# Altium PCB PrototypeSingle.PcbDoc (part 2 of 3)
Units mm, origin at the board's own origin, x right, y up, seen from the top; angles counter-clockwise.
Board outline 125.05 x 120.1 mm, 2 copper layers (L1_Top, L14_Bot), stack 1.671 mm thick; 220 components, 150 nets, 632 pads, 932 vias.
Unrouted connection lines stored in the file: 121.
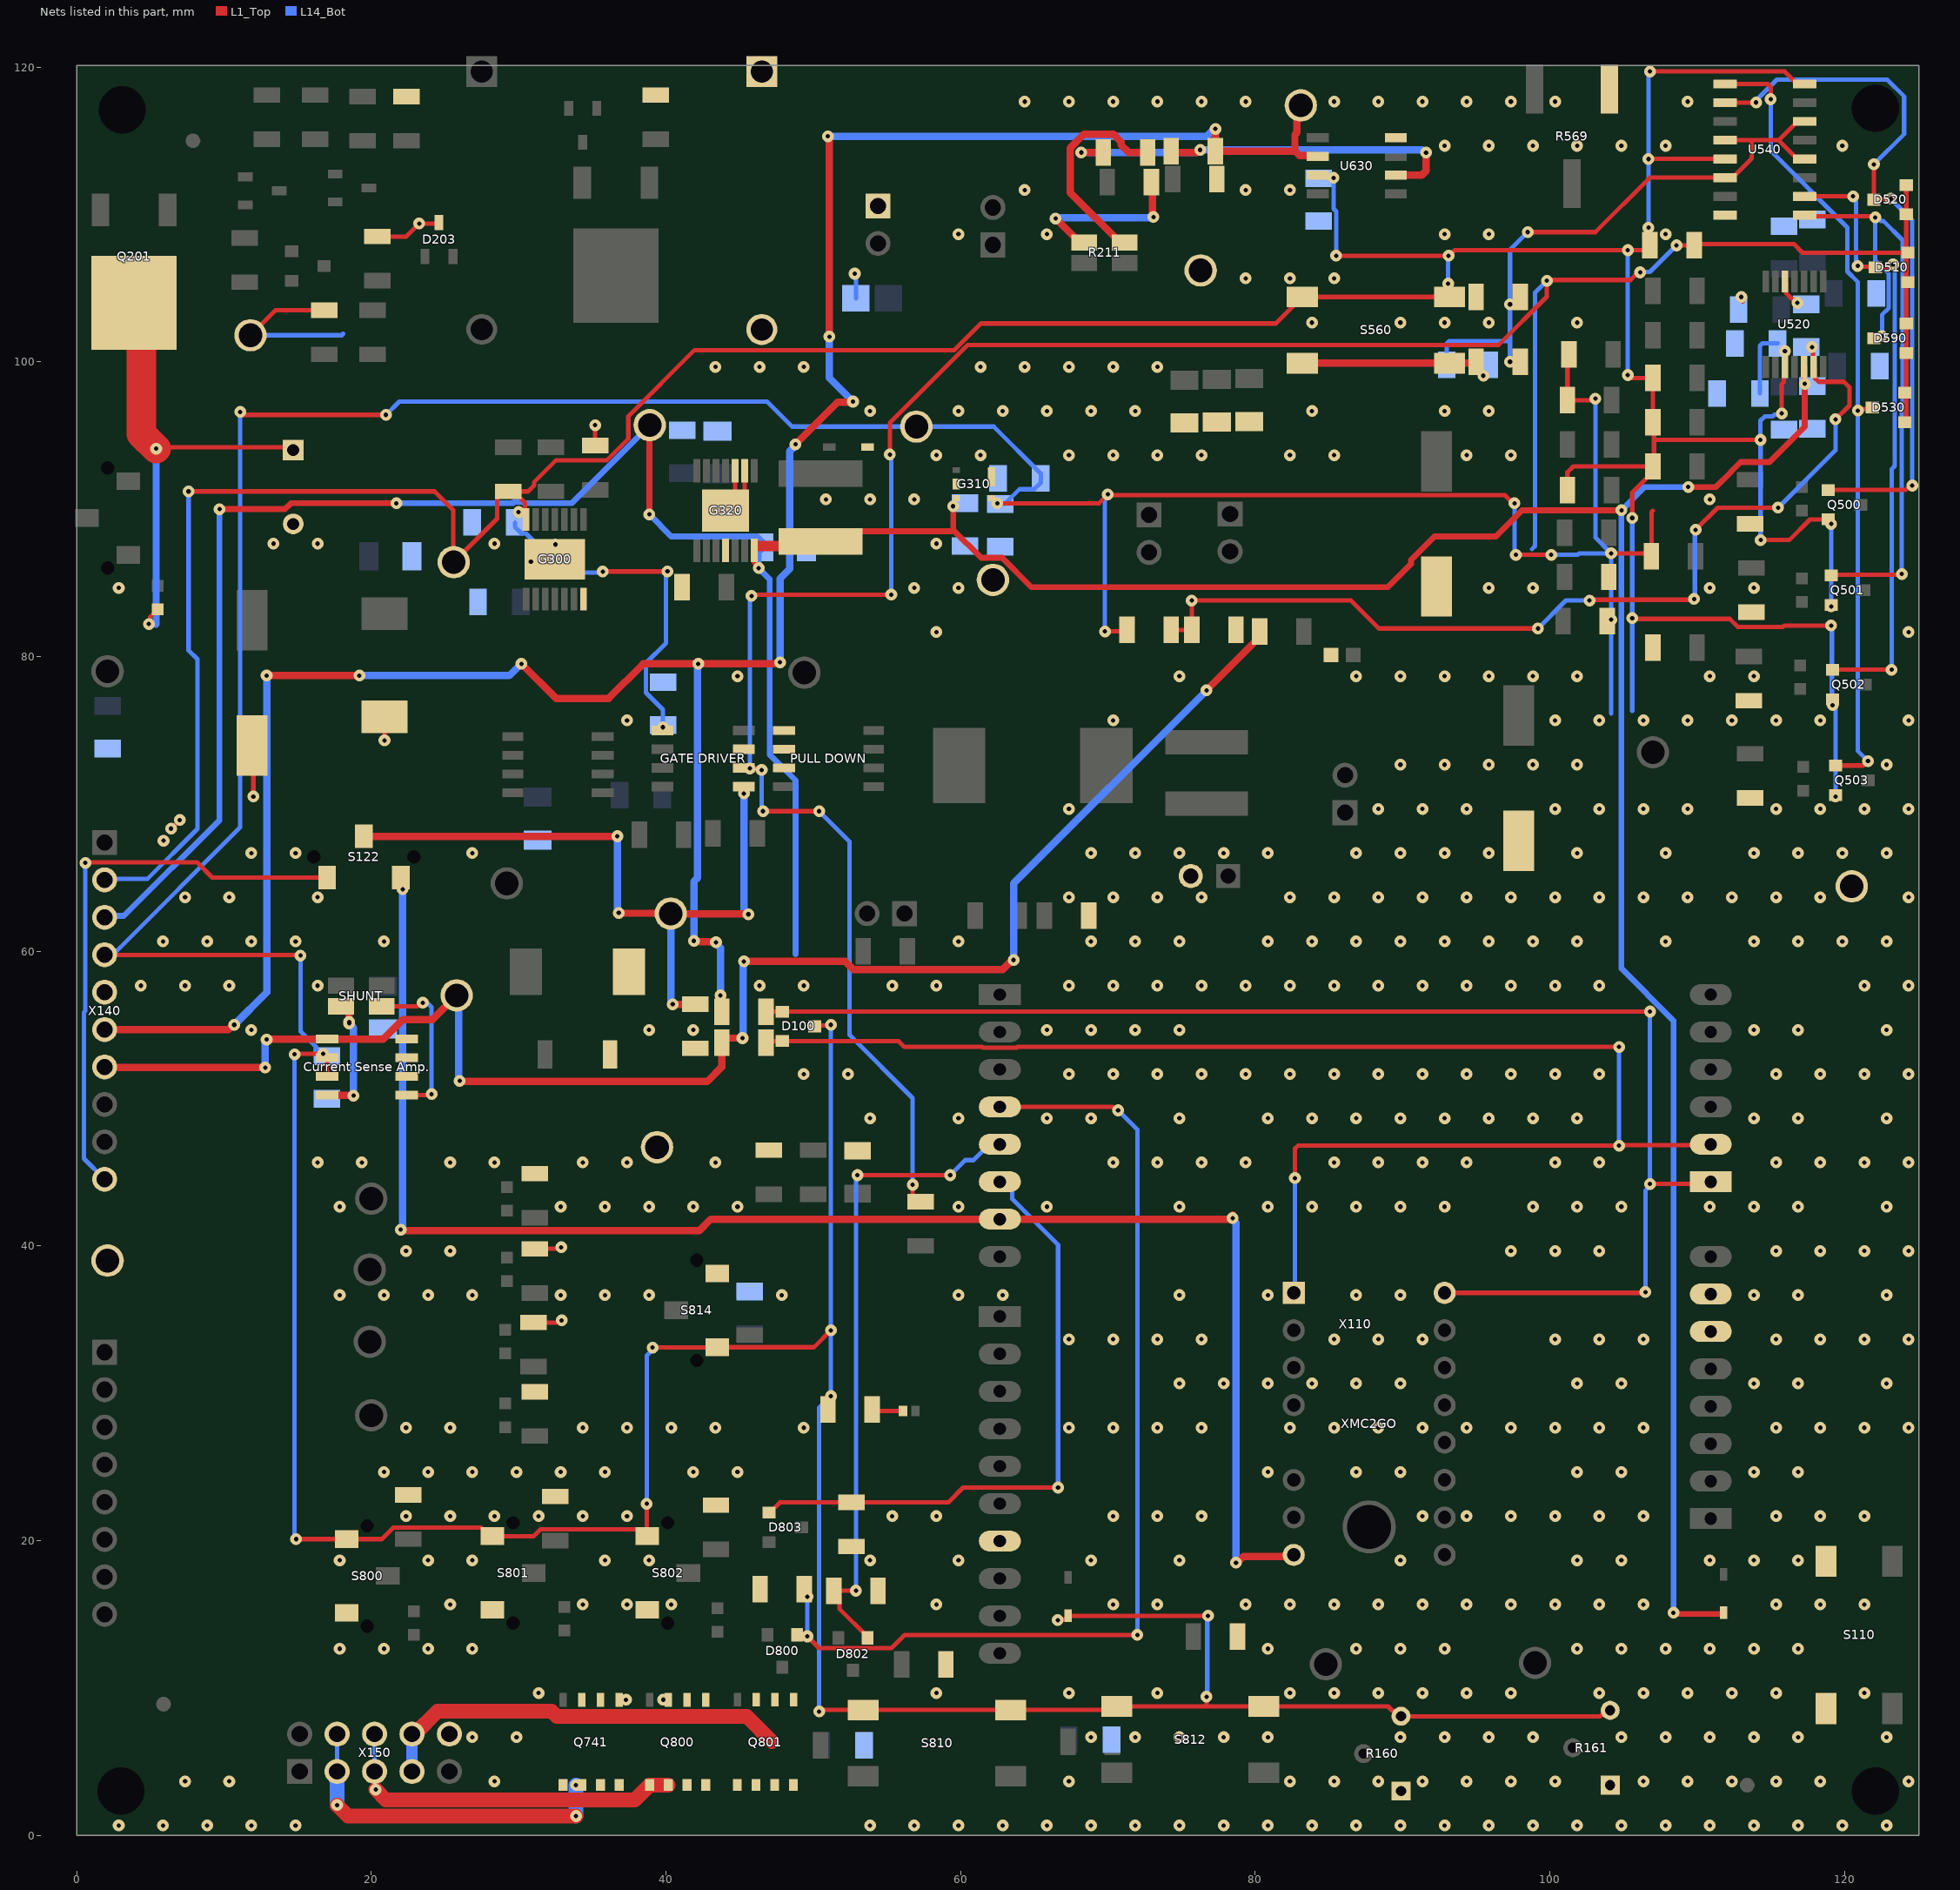
[diagram p2: the nets of this part, all layers, seen from the top]

## Part data (continued)
D211: library part 646382, "TVS Diode, Low Profile Package, Built in Strain Relief, Glass Passivated Chip Junction", Manufacturer=Littelfuse, Package Description="Diode,Molded Body;7.94mm L X 5.905mm W X 2.62mm H", Supplier Part Number 1=2777300, Temperature max=150, Temperature min=-65, Temperature Range=Military, Voltage DC (max)=na, Application=Standard, Article Number=646382, Automotive Qualified=No, Combined Parameters=Vf:5V;If:-;Ur:20V;Ir:2uA;Pmax:6.5W, ComponentLink1Description="Vendor WebSite", ComponentLink1URL=http://www.littelfuse.com/, ComponentLink2Description=Datasheet, ComponentLink2URL=http://webnetprod.muc.infineon.com/PCBPortal_Prod/WorkFlows/AltiumComponent/StandardDocumentation?Versionid=646383, ComponentStatus=Released, Manufacturer Order Number=SMDJ20A, PackageReference=DO-214AB, Part Type=Diode, PLMStatus=Active, QuickPick="TVS Diode / DO-214AB", RoHS Compliant=Y, Second Source allowed=Yes, Style=Single, Supplier 1=Farnell, Supplier 2=DigiKey, Supplier 3=Mouser, Supplier Part Number 2=SMDJ20ACT-ND, Supplier Part Number 3=576-SMDJ20A, Symbol Type="Transient Voltage Suppressor Diode (TVS, TAZ), 1 Cathode, 2 Anode", Type="TVS Diode", Version Number=V01
D730: library part 646377, "Surface Mount Transient Voltage Suppressors, Unidirectional, Very Fast Response Time", Manufacturer=Vishay, Package Description="Diode,Molded Body;7.94mm L X 5.905mm W X 2.62mm H", Temperature max=150, Temperature min=-55, Temperature Range=Military, Voltage DC (max)=na, Application=Switching, Article Number=646377, Automotive Qualified="AEC Q101", Combined Parameters=Vf:-;If:-;Ur:40V;Ir:-;Pmax:5kW, ComponentLink1Description="Vendor WebSite", ComponentLink1URL=http://www.vishay.com, ComponentLink2Description=Datasheet, ComponentLink2URL=http://webnetprod.muc.infineon.com/PCBPortal_Prod/WorkFlows/AltiumComponent/StandardDocumentation?Versionid=646378, ComponentStatus=Released, Manufacturer Order Number=SMC5K40A-M3/I, PackageReference="SMC (DO-214AB)", Part Type=Diode, PLMStatus=Active, QuickPick="TVS Diode / SMC (DO-214AB)", RoHS Compliant=Y, Second Source allowed=Yes, Style=Single, Supplier 1=Farnell, Supplier 2=DigiKey, Supplier 3=Mouser, Supplier Part Number 2=SMC5K40A-M3/IGICT-ND, Supplier Part Number 3=78-SMC5K40A-M3/I, Symbol Type="Transient Voltage Suppressor Diode (TVS, TAZ), 1 Cathode, 2 Anode", Type="TVS Diode", Version Number=V01
D731: library part 646087, "DIODE SCHOTTKY 60V 3A SOD128", Manufacturer=Nexperia, Package Description="SODFL Diode;3.80mm W X 2.50mm L X 1.10mm H body", Supplier Part Number 1=2311228, Temperature max=175, Temperature min=-55, Temperature Range=Military, Voltage DC (max)=na, Application=Standard, Article Number=646087, Automotive Qualified="AEC Q101", Combined Parameters=Vf:530mV;If:4.2A;Ur:60V;Ir:200uA;Pmax:750mW, ComponentLink1Description="Vendor WebSite", ComponentLink1URL=http://www.nexperia.com, ComponentLink2Description=Datasheet, ComponentLink2URL=http://webnetprod.muc.infineon.com/PCBPortal_Prod/WorkFlows/AltiumComponent/StandardDocumentation?Versionid=646088, ComponentStatus=Released, Manufacturer Order Number=PMEG6030ETPX, PackageReference=SOD128, Part Type=Diode, PLMStatus=Active, QuickPick="Schottky Diode / SOD128", RoHS Compliant=Y, Second Source allowed=Yes, Style=Single, Supplier 1=Farnell, Supplier 2=DigiKey, Supplier 3=Mouser, Supplier Part Number 2=1727-1348-1-ND, Supplier Part Number 3=771-PMEG6030ETPX, Symbol Type="Standard Schottky Diode Symbol, 1 Cathode, 2 Anode", Type="Schottky Diode", Version Number=V01
E100 E101 E102: library part 416637, "Fiducial Mark", Legacy PartNumber=MEC10000008, Manufacturer="Infineon Technologies", Temperature max=0, Temperature Range=Military, Voltage DC (max)=na, Alternate View=No, Article Number=416637, Combined Parameters="- - -x- -", ComponentLink1Description="Vendor WebSite", ComponentLink1URL=https://www.infineon.com/, ComponentLink2Description=Datasheet, ComponentLink2URL=http://webnetprod.muc.infineon.com/PCBPortal_Prod/WorkFlows/AltiumComponent/StandardDocumentation?Versionid=416638, ComponentStatus=Released, Legacy DeviceID=MEC_Fiducial_Mark, Multible Parts=No, Part Type=Mechanical, PLMStatus=Active, Second Source allowed=Yes, Supplier 1=Farnell, Supplier 2=DigiKey, Supplier 3=Mouser, Symbol Type="Fiducial Marker For PCB", Temperature min=0, Version Number=V01
G300: library part 431580, "Low Dropout Adjustable Standby Voltage Regulator", Legacy PartNumber=IFX01401452, Manufacturer="Infineon Technologies", Package Description="SOP,0.65mm pitch;14 pin,3.90mm W X 4.90mm L X 1.15mm H body (w/thermal tab)", Temperature max=150, Temperature min=-40, Temperature Range=Automotive, Voltage DC (max)=na, Alternate View=No, Article Number=431580, Automotive Qualified=Yes, Combined Parameters="Linear Not applicable -;Vo:1.2V to 20V", ComponentLink1Description="Vendor WebSite", ComponentLink1URL=https://www.infineon.com/, ComponentLink2Description=Datasheet, ComponentLink2URL=http://webnetprod.muc.infineon.com/PCBPortal_Prod/WorkFlows/AltiumComponent/StandardDocumentation?Versionid=431581, ComponentStatus=Released, Legacy DeviceID=IFX_TLT807B0EPV, Manufacturer Order Number=TLT807B0EPV, Multiple Parts=No, PackageReference=PG-TSDSO-14, Part Type="Power Supply", PLMStatus=Active, QuickPick="Linear / PG-TSDSO-14", RoHS Compliant=Y, Second Source allowed=Yes, Style="Not applicable", Supplier 1=Farnell, Supplier 2=DigiKey, Supplier 3=Mouser, Supplier Part Number 2=TLT807B0EPVXUMA1TR-ND, Supplier Part Number 3=726-TLT807B0EPVXUMA1, Symbol Type="Low Dropout Adjustable Standby Voltage Regulator", Type=Linear, Version Number=V01
G310: library part 617559, Manufacturer="Infineon Technologies", Package Description="PG-SCT595-5-2; 5 pin, 1.60 mm L X 2.90 mm W X 1.1 mm H body", Supplier Part Number 1=2762385, Temperature max=150, Temperature min=-40, Temperature Range=Automotive, Voltage DC (max)=na, Alternate View=No, Article Number=617559, Automotive Qualified=Yes, Combined Parameters="- - -;Vo:3.17V to 3.43V", ComponentLink1Description="Vendor WebSite", ComponentLink1URL=https://www.infineon.com/, ComponentLink2Description=Datasheet, ComponentLink2URL=http://webnetprod.muc.infineon.com/PCBPortal_Prod/WorkFlows/AltiumComponent/StandardDocumentation?Versionid=617560, ComponentStatus=Released, Legacy DeviceID="IFX_TLE4295G V33", Manufacturer Order Number="TLE4295G V33", Multiple Parts=No, PackageReference=PG-SCT595-5-2, Part Type="Power Supply", PLMStatus=Active, QuickPick=PG-SCT595-5-2, RoHS Compliant=Y, Second Source allowed=Yes, Supplier 1=Farnell, Supplier 2=DigiKey, Supplier 3=Mouser, Supplier Part Number 2=448-TLE4295GV33HTSA1CT-ND, Supplier Part Number 3=726-TLE4295GV33HTSA1, Symbol Type="5-V Voltage Regulator", Version Number=V01
G320: library part 508204, "2.2 MHz Step-Down Regulator 500 mA, 5 V, low quiescent current", Manufacturer="Infineon Technologies", Package Description="SOP,0.65mm pitch;14 pin,3.90mm W X 4.90mm L X 1.70mm H body (w/thermal tab)", Temperature max=150, Temperature min=-40, Temperature Range=Automotive, Voltage DC (max)=na, Article Number=508204, Automotive Qualified="AEC Q100", Combined Parameters="- - -;Vo:- to -", ComponentLink1Description="Vendor WebSite", ComponentLink1URL=https://www.infineon.com/, ComponentLink2Description=Datasheet, ComponentLink2URL=http://webnetprod.muc.infineon.com/PCBPortal_Prod/WorkFlows/AltiumComponent/StandardDocumentation?Versionid=508205, ComponentStatus=Released, Legacy DeviceID=IFX-TLF50211EL, Manufacturer Order Number=TLF50211EL, PackageReference=PG-SSOP-14-3, Part Type="Power Supply", PLMStatus=Active, QuickPick=PG-SSOP-14-3, RoHS Compliant=Y, Second Source allowed=Yes, Supplier 1=Farnell, Supplier 2=DigiKey, Supplier 3=Mouser, Supplier Part Number 2=TLF50211ELXUMA2-ND, Supplier Part Number 3=726-TLF50211ELXUMA2, Symbol Type="2.2 MHz Step-Down Regulator", Version Number=V01
"GATE DRIVER": library part 583359, "Driving IGBTs, enhancement mode N-Channel MOSFETs in various power electronic applications", Manufacturer="Infineon Technologies", Package Description="SOIC,1.27mm pitch;8 pin,3.90mm W X 4.90mm L X 1.72mm H body", Temperature max=125, Temperature min=-40, Temperature Range=Automotive, Voltage DC (max)=na, Alternate View=Yes, Application=Industrial, Article Number=583359, Automotive Qualified=No, ComponentLink1Description="Vendor WebSite", ComponentLink1URL=https://www.infineon.com/, ComponentLink2Description=Datasheet, ComponentLink2URL=http://webnetprod.muc.infineon.com/PCBPortal_Prod/WorkFlows/AltiumComponent/StandardDocumentation?Versionid=583360, ComponentStatus=Released, Legacy DeviceID=IFX_2ED2184S06F, Manufacturer Order Number=2ED2184S06F, Multiple Parts=Yes, PackageReference=PG-DSO-8-53, Part Type="Motors and Drives", PLMStatus=Active, RoHS Compliant=Y, Second Source allowed=Yes, Supplier 1=Farnell, Supplier 2=DigiKey, Supplier 3=Mouser, Supplier Part Number 2=448-2ED2184S06FXUMA1TR-ND, Supplier Part Number 3=726-2ED2184S06FXUMA1, Symbol Type="650 V half-bridge gate driver with integrated bootstrap diode", Type=Driver, Version Number=V01
J211 J219 J421 J710 J715 X720: library part 386760, "Header, 2.54mm Pitch, 2 pin, Vertical, Single Row", Legacy PartNumber=CON01500943, Manufacturer="Wurth Elektronik", Package Description="Header, Vertical, 2.54mm Pitch; 2 Pins, Single row, 5.08mm L X 2.54mm W X 8.89mm H body", Supplier Part Number 1=2356153, Temperature max=105, Temperature min=-40, Temperature Range=Industrial, Voltage DC (max)=na, Alternat View=Yes, Article Number=386760, Automotive Qualified=No, Combined Parameters="Board-to-Board Header (male);2x1;Mounting:THT;Orient:0° (vertical);Shielded:No", ComponentLink1Description="Vendor WebSite", ComponentLink1URL=http://www.we-online.com, ComponentLink2Description=Datasheet, ComponentLink2URL=http://webnetprod.muc.infineon.com/PCBPortal_Prod/WorkFlows/AltiumComponent/StandardDocumentation?Versionid=386761, ComponentStatus=Released, Legacy DeviceID=WE_61300211121, Manufacturer Order Number=61300211121, Part Type=Connector, PLMStatus=Active, QuickPick="0° (vertical) / Board-to-Board", RoHS Compliant=Y, Second Source allowed=Yes, Style=Strip, Supplier 1=Farnell, Supplier 2=DigiKey, Supplier 3=Mouser, Supplier Part Number 2=732-5315-ND, Supplier Part Number 3=710-61300211121, Type=Board-to-Board, Version Number=V01
L320: library part 638654, "IND / STD / 22uH / 2.1A / 20% / -40°C to 125°C / 89mR / SMD / Inductor; 2 pin, 6.00 mm L X 6.00 mm W X 4.50 mm H Body / SMD / -", Manufacturer="Wurth Elektronik", Package Description="Inductor; 2 pin, 6.00 mm L X 6.00 mm W X 4.50 mm H Body", Supplier Part Number 1=2431542, Temperature max=125, Temperature min=-40, Temperature Range=Automotive, Tolerance Neg=20%, Voltage DC (max)=na, Alternate View=Yes, Application="Power Electronics", Article Number=638654, Automotive Qualified="AEC Q200", Combined Parameters=Tol.:-20%/+20%;Rdc:89mR;Idc:2.1A;Fres:15MHz, ComponentLink1Description="Vendor WebSite", ComponentLink1URL=http://www.we-online.com, ComponentLink2Description=Datasheet, ComponentLink2URL=http://webnetprod.muc.infineon.com/PCBPortal_Prod/WorkFlows/AltiumComponent/StandardDocumentation?Versionid=638655, ComponentStatus=Released, Manufacturer Order Number=74404064220, Multiple Parts=No, PackageReference=SMD, Part Type=Inductor, PLMStatus=Active, QuickPick="22uH / Standard / SMD", RoHS Compliant=Y, Second Source allowed=Yes, Style=Single, Supplier 1=Farnell, Supplier 2=DigiKey, Supplier 3=Mouser, Supplier Part Number 2=732-5554-1-ND, Supplier Part Number 3=710-74404064220, Symbol Type="Inductor; Single; Standard; Polarized; Core; 2 Pins", Technology="Wire Wound", Tolerance Pos=20%, Type=Standard, Version Number=V01
L420: library part 657324, "IND / STD / 27uH / 4.6A / 20% / -40°C to 125°C / 40mR / 1210 / Inductor,Molded Body;12.00mm L X 12.00mm W X 10.00mm H / SMD / -", Manufacturer="Wurth Elektronik", Package Description="Inductor,Molded Body;12.00mm L X 12.00mm W X 10.00mm H", Supplier Part Number 1=2211547, Temperature max=125, Temperature min=-40, Temperature Range=Automotive, Tolerance Neg=20%, Voltage DC (max)=na, Alternate View=Yes, Application="Power Electronics", Article Number=657324, Automotive Qualified="AEC Q200", Combined Parameters=Tol.:-20%/+20%;Rdc:40mR;Idc:4.6A;Fres:8MHz, ComponentLink1Description="Vendor WebSite", ComponentLink1URL=http://www.we-online.com, ComponentLink2Description=Datasheet, ComponentLink2URL=http://webnetprod.muc.infineon.com/PCBPortal_Prod/WorkFlows/AltiumComponent/StandardDocumentation?Versionid=657325, ComponentStatus=Released, Manufacturer Order Number=7447709270, Multiple Parts=No, PackageReference=1210, Part Type=Inductor, PLMStatus=Active, QuickPick="27uH / Standard / 1210", RoHS Compliant=Y, Second Source allowed=Yes, Style=Single, Supplier 1=Farnell, Supplier 2=DigiKey, Supplier 3=Mouser, Supplier Part Number 2=732-4121-1-ND, Supplier Part Number 3=710-7447709270, Symbol Type="Inductor; Single; Standard; 2 Pins", Technology="Wire Wound", Tolerance Pos=20%, Type=Standard, Version Number=V00
L421: library part 657326, "IND / STD / 15uH / 5.8A / 20% / -55°C to 155°C / 43mR / 6.6 x 6.4 mm / Inductor, SMD, 2 pin, 6.40 mm L X 6.60 mm W X 6.00 mm H body / - / -", Manufacturer=Bourns, Package Description="Inductor, SMD, 2 pin, 6.40 mm L X 6.60 mm W X 6.00 mm H body", Supplier Part Number 1=2901829, Temperature max=155, Temperature min=-55, Temperature Range=Military, Tolerance Neg=20%, Voltage DC (max)=na, Alternate View=Yes, Application="Power Electronics", Article Number=657326, Automotive Qualified="AEC Q200", Combined Parameters=Tol.:-20%/+20%;Rdc:43mR;Idc:5.8A;Fres:11MHz, ComponentLink1Description="Vendor WebSite", ComponentLink1URL=http://www.bourns.com, ComponentLink2Description=Datasheet, ComponentLink2URL=http://webnetprod.muc.infineon.com/PCBPortal_Prod/WorkFlows/AltiumComponent/StandardDocumentation?Versionid=657327, ComponentStatus=Released, Manufacturer Order Number=SRP6060FA-150M, Multiple Parts=No, PackageReference="6.6 x 6.4 mm", Part Type=Inductor, PLMStatus=Active, QuickPick="15uH / Standard / 6.6 x 6.4 mm", RoHS Compliant=Y, Second Source allowed=Yes, Style=Single, Supplier 1=Farnell, Supplier 2=DigiKey, Supplier 3=Mouser, Supplier Part Number 2=SRP6060FA-150MCT-ND, Supplier Part Number 3=652-SRP6060FA-150M, Symbol Type="Inductor; Single; Standard; Core; 2 Pins", Technology="Wire Wound", Tolerance Pos=20%, Type=Standard, Version Number=V00
MP100 MP101 MP102 MP103: library part 455343, "Cheese Head Screw With Hexagon Socket, DIN 912 (ISO 4762), M3, 16mm length", Legacy PartNumber=MEC10000167, Manufacturer="Wurth Elektronik", Package Description="M3 Cheese Head Screw X 5.68mm Head", Temperature max=0, Temperature Range=Military, Voltage DC (max)=na, Alternate View=No, Article Number=455343, Automotive Qualified=No, Combined Parameters="Steel Hexagonal 19x5.68 Screw", ComponentLink1Description="Vendor WebSite", ComponentLink1URL=http://www.we-online.com, ComponentLink2Description=Datasheet, ComponentLink2URL=http://webnetprod.muc.infineon.com/PCBPortal_Prod/WorkFlows/AltiumComponent/StandardDocumentation?Versionid=455344, ComponentStatus=Released, Legacy DeviceID="MEC_0082 3 16", Manufacturer Order Number="0082 3 16", Multiple Parts=No, PackageReference=THT, Part Type=Mechanical, PLMStatus=Active, QuickPick=Screw, RoHS Compliant=N, Second Source allowed=Yes, Style=Hexagonal, Supplier 1=Farnell, Supplier 2=DigiKey, Supplier 3=Mouser, Symbol Type="Cheese-Head Screw, M2.5X5-DIN 912", Temperature min=0, Type=Screw, Version Number=V01
NTC: library part 466242, "RES / NTC / 10k / 100mW / 1% / - / -40°C to 125°C / 0603(1608) / SMD / -", Legacy PartNumber=RES01806219, Manufacturer=MuRata, Package Description="Resistor,Chip;1.60mm L X 0.80mm W X 0.95mm H", Package Imperial=0603, Package Metric=1608, Supplier Part Number 1=2456122RL, Temperature max=125, Temperature min=-40, Temperature Range=Automotive, Tolerance Neg=1%, Alternate View=Yes, Article Number=466242, Automotive Qualified=No, Combined Parameters=TCR:-;Tol.:-1%/+1%;Vdc:-;Idc:-;P:100mW, ComponentLink1Description="Vendor WebSite", ComponentLink1URL=http://www.murata.com/, ComponentLink2Description=Datasheet, ComponentLink2URL=http://webnetprod.muc.infineon.com/PCBPortal_Prod/WorkFlows/AltiumComponent/StandardDocumentation?Versionid=466243, ComponentStatus=Released, Legacy DeviceID=RES01806219, Manufacturer Order Number=NCP18XH103F03RB, Multiple Parts=No, PackageReference=0603, Part Type=Resistor, PLMStatus=Active, QuickPick="10k / 1% / 0.1 / 0603", RoHS Compliant=Y, Second Source allowed=Yes, Style=Single, Supplier 1=Farnell, Supplier 2=DigiKey, Supplier 3=Mouser, Supplier Part Number 2=490-4800-2-ND, Supplier Part Number 3=81-NCP18XH103F03RB, Symbol Type="Resistor; Single; Negative Temperature Coefficient; 2 Pins", Tolerance Pos=1%, Type="Negative Temperature Coefficient (NTC)", Version Number=V01
"PULL DOWN" "PULL UP": library part 584303, "HEXFET Power MOSFET, VDS 60V, RDS(on) max 14.4 mO", Manufacturer="Infineon Technologies", Package Description="Pullback Quad Flat No-Lead (PQFN); 4 pin, 6.00 mm L X 5.00 mm W X 0.90 mm H body", Supplier Part Number 1=2580010, Temperature max=150, Temperature min=-55, Temperature Range=Military, Voltage DC (max)=na, Application="Power Supply", Article Number=584303, Automotive Qualified=No, Combined Parameters="N-Channel Enhancement;Uds:60V;Id:40A;Rds:14.4R;P:46W", ComponentLink1Description="Vendor WebSite", ComponentLink1URL=https://www.infineon.com/, ComponentLink2Description=Datasheet, ComponentLink2URL=http://webnetprod.muc.infineon.com/PCBPortal_Prod/WorkFlows/AltiumComponent/StandardDocumentation?Versionid=584304, ComponentStatus=Released, Legacy DeviceID=IFX_IRFH5406TRPbF, Manufacturer Order Number=IRFH5406TRPbF, PackageReference=PQFN-5X6, Part Type="Transistor FET", PLMStatus=Active, QuickPick="N-Channel Enhancement / 46W / 40A / 60V / PQFN-5X6", RoHS Compliant=Y, Second Source allowed=Yes, Style=Single, Supplier 1=Farnell, Supplier 2=DigiKey, Supplier 3=Mouser, Supplier Part Number 2=IRFH5406TRPBFCT-ND, Supplier Part Number 3=942-IRFH5406TRPBF, Symbol Type="Insulated-Gate Field-Effect Transistor (IGFET), N-Channel, Enhancement, Body Diode, Pin 1 Source, 2 Source, 3 Source, 4 Gate, 5 Drain, 6 Drain, 7 Drain, 8 Drain, 8 Pins", Type="N-Channel Enhancement", Version Number=V01
Q200 Q201: library part 644075, "OptiMOS Power Transistor, -60 V", Manufacturer="Infineon Technologies", Package Description="TO,2.28mm pitch;2 pin,9.98mm L X 6.50mm W X 2.50mm H body", Supplier Part Number 1=3267848, Temperature max=175, Temperature min=-55, Temperature Range=Military, Voltage DC (max)=na, Application="Power Electronics", Article Number=644075, Automotive Qualified=No, Combined Parameters="P-Channel Enhancement;Uds:-60V;Id:-22A;Rds:65R;P:83W", ComponentLink1Description="Vendor WebSite", ComponentLink1URL=https://www.infineon.com/, ComponentLink2Description=Datasheet, ComponentLink2URL=http://webnetprod.muc.infineon.com/PCBPortal_Prod/WorkFlows/AltiumComponent/StandardDocumentation?Versionid=644076, ComponentStatus=Released, Legacy DeviceID=IFX_IPD650P06NM, Manufacturer Order Number=IPD650P06NM, PackageReference=PG-TO252-3-313, Part Type="Transistor FET", PLMStatus=Active, QuickPick="P-Channel Enhancement / 83W / -22A / -60V / PG-TO252-3-313", RoHS Compliant=Y, Second Source allowed=Yes, Style=Single, Supplier 1=Farnell, Supplier 2=DigiKey, Supplier 3=Mouser, Supplier Part Number 2=448-IPD650P06NMATMA1CT-ND, Supplier Part Number 3=726-IPD650P06NMATMA1, Symbol Type="Insulated-Gate Field-Effect Transistor (IGFET), P-Channel, Enhancement,  Body Diode, Pin 1 Gate, 2 Drain, 3 Source, 3 Pins", Type="P-Channel Enhancement", Version Number=V01
Q202 Q500 Q501 Q502 Q503: library part 615536, "OptiMOSTM Small Signal Transistor, -60 V", Manufacturer="Infineon Technologies", Package Description="SOT,0.95mm,pitch;3 pin,1.30mm W X 2.90mm L X 1.10mm H body", Supplier Part Number 1=3267800, Temperature max=150, Temperature min=-55, Temperature Range=Military, Voltage DC (max)=na, Application="Small Signal", Article Number=615536, Automotive Qualified=No, Combined Parameters="P-Channel Enhancement;Uds:-60V;Id:-300mA;Rds:1.7R;P:360mW", ComponentLink1Description="Vendor WebSite", ComponentLink1URL=https://www.infineon.com/, ComponentLink2Description=Datasheet, ComponentLink2URL=http://webnetprod.muc.infineon.com/PCBPortal_Prod/WorkFlows/AltiumComponent/StandardDocumentation?Versionid=615537, ComponentStatus=Released, Legacy DeviceID=IFX_ISS17EP06LM, Manufacturer Order Number=ISS17EP06LM, PackageReference=PG-SOT23-3-5, Part Type="Transistor FET", PLMStatus=Active, QuickPick="P-Channel Enhancement / 360mW / -300mA / -60V / PG-SOT23-3-5", RoHS Compliant=Y, Second Source allowed=Yes, Style=Single, Supplier 1=Farnell, Supplier 2=DigiKey, Supplier 3=Mouser, Supplier Part Number 2=448-ISS17EP06LMXTSA1CT-ND, Supplier Part Number 3=726-ISS17EP06LMXTSA1, Symbol Type="Insulated-Gate Field-Effect Transistor (IGFET), P-Channel, Enhancement,  Body Diode, Pin 1 Gate, 2 Source, 3 Drain, 3 Pins", Type="P-Channel Enhancement", Version Number=V01
Q741 Q800 Q801: library part 691273, "OptiMOS Power MOSFET, 30V", Manufacturer="Infineon Technologies", Package Description="PG-TDSON-8-6, SMD, 1.27 mm pitch, 8 pin, 5.90 mm W X 5.075 mm L X 1.20 mm H body", Supplier Part Number 1=2480745, Temperature max=150, Temperature min=-55, Temperature Range=Military, Voltage DC (max)=na, Application="Power Electronics", Article Number=691273, Automotive Qualified=No, Combined Parameters="N-Channel Enhancement;Uds:30V;Id:63A;Rds:4.5R;P:30W", ComponentLink1Description="Vendor WebSite", ComponentLink1URL=https://www.infineon.com/, ComponentLink2Description=Datasheet, ComponentLink2URL=http://webnetprod.muc.infineon.com/PCBPortal_Prod/WorkFlows/AltiumComponent/StandardDocumentation?Versionid=691274, ComponentStatus=Released, Legacy DeviceID=IFX_BSC0906NS, Manufacturer Order Number=BSC0906NS, PackageReference=TDSON-8, Part Type="Transistor FET", PLMStatus=Active, QuickPick="N-Channel Enhancement / 30W / 63A / 30V / TDSON-8", RoHS Compliant=Y, Second Source allowed=Yes, Style=Single, Supplier 1=Farnell, Supplier 2=DigiKey, Supplier 3=Mouser, Supplier Part Number 2=BSC0906NSATMA1CT-ND, Supplier Part Number 3=726-BSC0906NS, Symbol Type="Insulated-Gate Field-Effect Transistor (IGFET), N-Channel, Enhancement, Body Diode, Pin 1 Source, 2 Source, 3 Source, 4 Gate, 5 Drain, 6 Drain, 7 Drain, 8 Drain, 8 Pins", Type="N-Channel Enhancement", Version Number=V00